# Altium PCB PCB-MB202-00.PcbDoc (part 3 of 7)
Units mm, origin at the board's own origin, x right, y up, seen from the top; angles counter-clockwise.
Board outline 300.6 x 146 mm, 2 copper layers (Top Layer, Bottom Layer); 493 components, 371 nets, 1609 pads, 6249 vias.
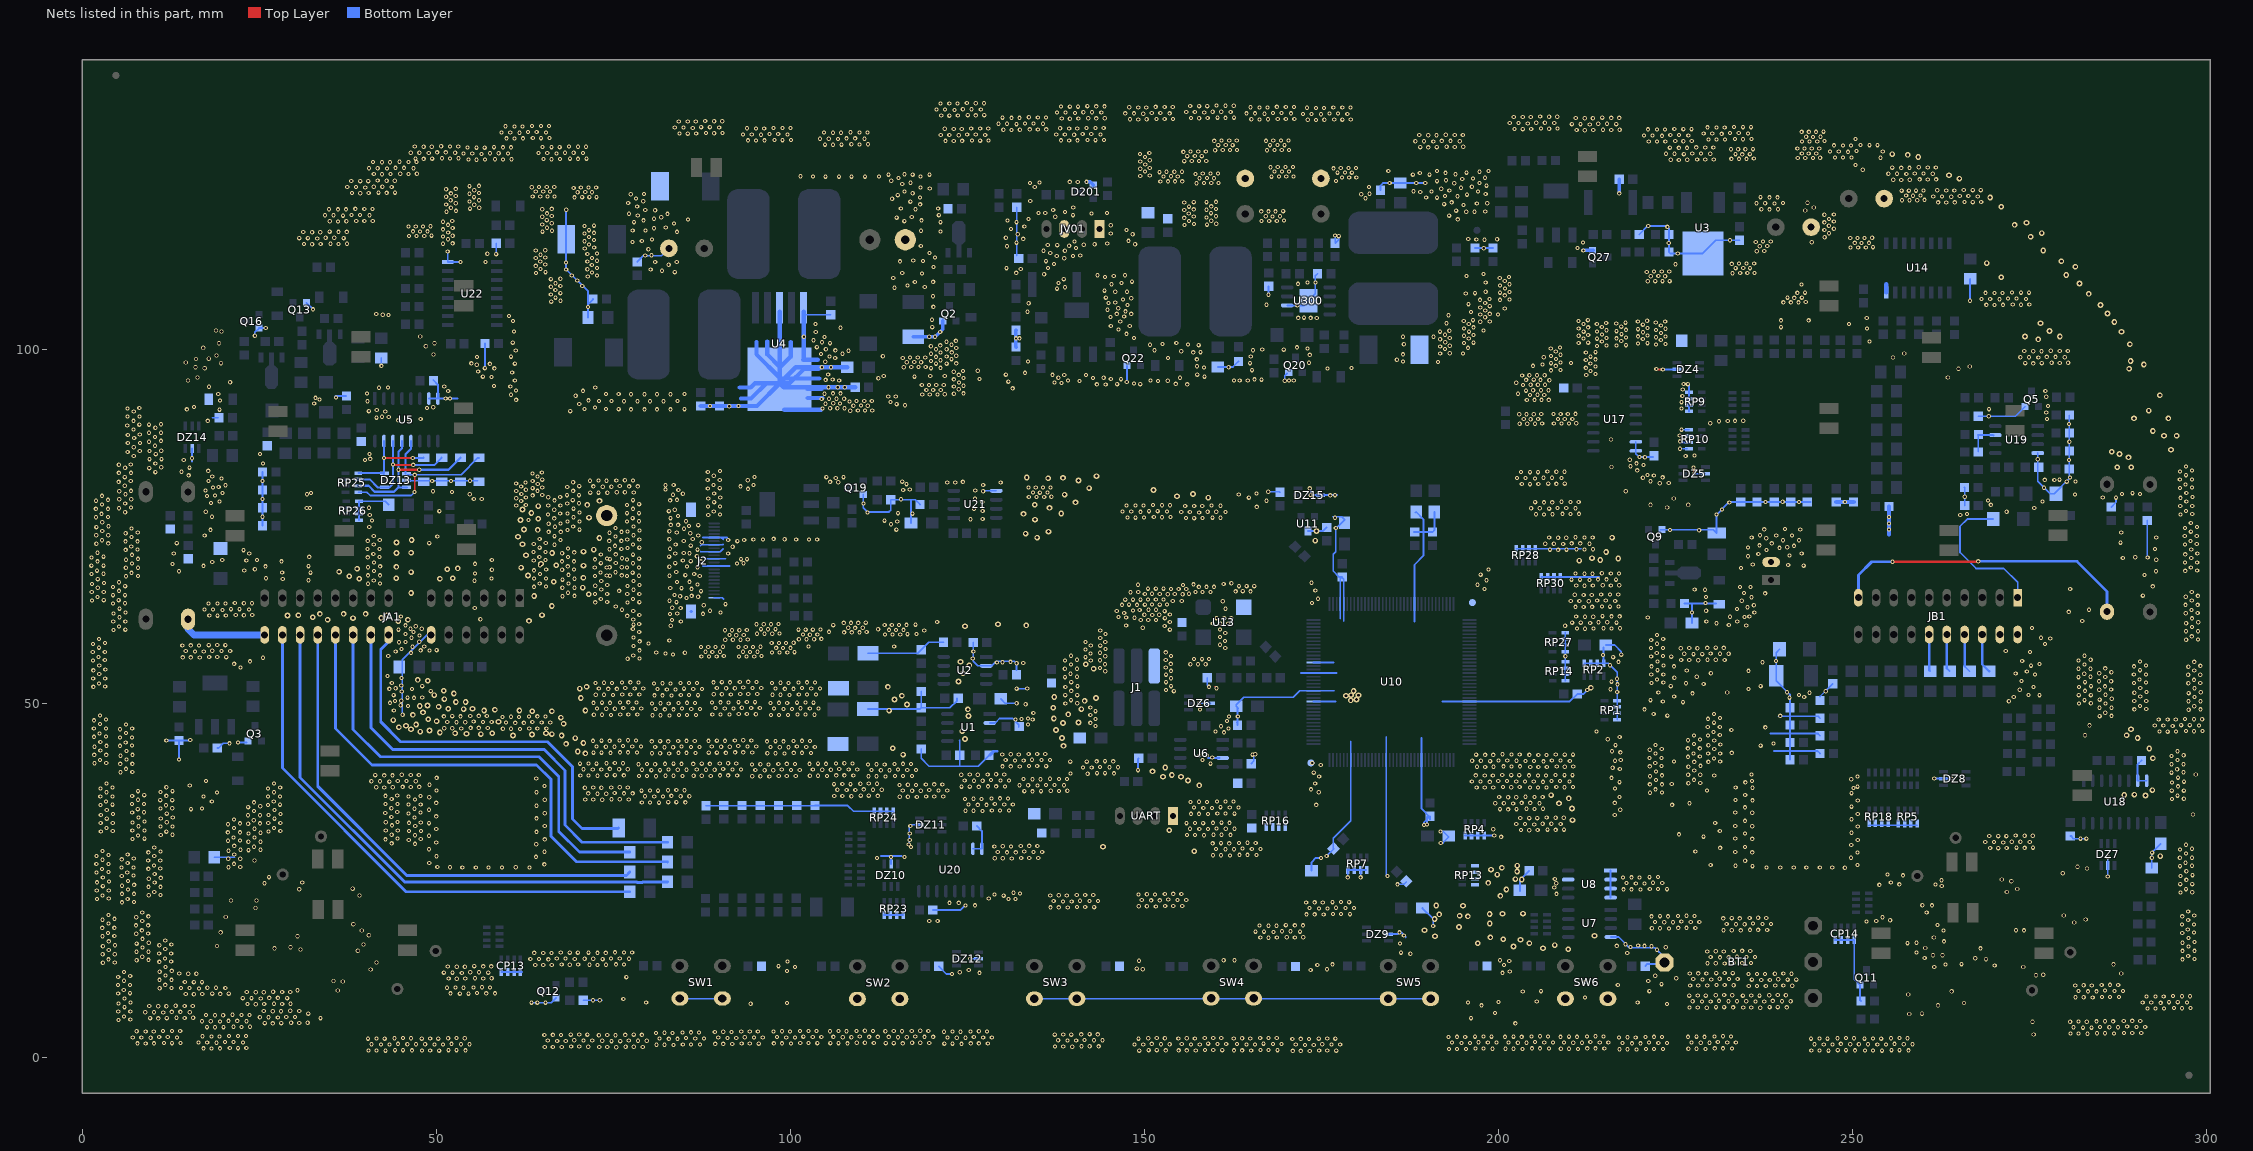
[diagram p3: the nets of this part, all layers, seen from the top]

## Via types
v1: diameter 0.6, hole 0.3, Top Layer to Bottom Layer, 5795 vias
v2: diameter 0.8, hole 0.4, Top Layer to Bottom Layer, 342 vias
v3: diameter 0.6, hole 0.4, Top Layer to Bottom Layer, 92 vias
v4: diameter 0.6, hole 0.3, Top Layer to Bottom Layer, tented both sides, 20 vias

## Nets (pads, with @x,y where several pads share a name; then routed paths per layer and width w, separated by ;. In a path a pad name is that pad's centre, name@x,y a point inside that pad or via, vN(x,y) a via of type N, cw(c..) or ccw(c..) an arc to the next point about the centre after c; other vN are vias at no path point) (continued)
EIN-ST13: JB1.12 R207.1 | length 5.3
  Bottom Layer w0.25: R207.1@260.868,54.756 R207.1@261.023,54.6
  Bottom Layer w0.35: R207.1@260.868,54.756 JB1.12@260.868,59.799
EIN-ST14: JB1.10 R208.1 | length 5.4
  Bottom Layer w0.25: R208.1@263.368,55.024 R208.1@263.792,54.6
  Bottom Layer w0.35: R208.1@263.368,55.024 JB1.10@263.368,59.799
EIN-ST15: JB1.8 R209.1 | length 5.5
  Bottom Layer w0.25: R209.1@265.868,55.293 R209.1@266.561,54.6
  Bottom Layer w0.35: R209.1@265.868,55.293 JB1.8@265.868,59.799
EIN-ST16: JB1.6 R214.1 | length 5.6
  Bottom Layer w0.35: JB1.6@268.368,59.799 268.368,55.561 R214.1@269.329,54.6
EIN-ST17: JA1.26 R59.1 | length 75.1
  Bottom Layer w0.4: JA1.26@28.286,59.737 28.286,40.942 45.758,23.47 R59.1@77.356,23.47
EIN-ST18: JA1.24 R60.1 | length 78.2
  Bottom Layer w0.4: JA1.24@30.786,59.737 30.786,39.611 45.577,24.82 78.372,24.82 78.401,24.79 79.14,24.79 79.17,24.82 82.643,24.82 R60.1@82.69,24.867
EIN-ST19: JA1.22 R61.1 | length 70.9
  Bottom Layer w0.4: JA1.22@33.286,59.737 33.286,38.355 45.86,25.781 76.873,25.781 R61.1@77.356,26.264
EIN-ST20: JA1.20 R63.1 | length 72.6
  Bottom Layer w0.4: JA1.20@35.786,59.737 35.786,46.523 40.932,41.377 64.199,41.377 66.231,39.345 66.231,31.293 69.816,27.708 82.643,27.708 R63.1@82.69,27.661
EIN-ST21: JA1.18 R64.1 | length 64.2
  Bottom Layer w0.4: JA1.18@38.286,59.737 38.286,46.36 42.126,42.52 64.529,42.52 67.323,39.726 67.323,31.979 70.244,29.058 R64.1@77.356,29.058
EIN-ST22: JA1.16 R65.1 | length 66.2
  Bottom Layer w0.4: JA1.16@40.786,59.737 40.786,46.629 43.879,43.536 65.266,43.536 68.212,40.589 68.212,32.868 70.625,30.455 R65.1@82.69,30.455
EIN-ST23: JA1.14 R68.1 | length 57
  Bottom Layer w0.4: JA1.14@43.286,59.737 43.32,59.703 43.32,58.826 42.177,57.683 42.177,47.473 44.996,44.653 65.748,44.653 69.279,41.123 69.279,33.731 70.6,32.41 75.705,32.41 R68.1@75.781,32.487
EIN-ST25: JA1.28 R85.1 | length 12.5
  Bottom Layer w1: R85.1@14.974,61.951 14.974,60.579 15.816,59.737 JA1.28@25.786,59.737
EIN-ST27: JB1.19 R111.1 | length 44
  Top Layer w0.4: v1(255.689,70.079) 266.357,70.079 ; 266.662,70.079 266.357,70.079 ; v1(267.805,70.129) 267.754,70.079 266.357,70.079
  Bottom Layer w0.4: JB1.19@250.868,64.999 250.868,68.178 252.768,70.079 v1(255.689,70.079) ; v1(267.805,70.129) 281.75,70.129 285.992,65.888 R111.1@285.992,63.017
F02: D37.2 DZ13.1 RP25.4 U5.12 | length 26.9
  Top Layer w0.25: v1@46.978,79.985 v1(46.978,82.347)
  Bottom Layer w0.25: RP25.4@39.002,79.901 40.229,79.901 40.704,79.426 46.495,79.426 46.978,79.908 v1@46.978,79.985 ; DZ13.1@45.943,82.372 v1@46.927,82.372 ; v1@46.927,82.245 v1@46.927,82.372 ; D37.2@56.064,84.735 55.893,84.735 53.531,82.372 v1@46.927,82.372
  Bottom Layer w0.3: DZ13.1@45.676,82.563 45.676,85.236 46.444,86.004 U5.12@46.444,87.116
  other v1: 46.952,79.908
F03: D18.2 DZ13.3 RP25.3 U5.13 | length 23.7
  Top Layer w0.3: v1(44.692,83.058) v1(47.613,83.058)
  Bottom Layer w0.3: RP25.3@39.002,80.801 40.472,80.801 41.31,79.962 44.06,79.962 44.659,80.561 ; U5.13@45.174,87.116 45.174,86.106 44.692,85.623 44.692,80.594 44.659,80.561 ; DZ13.3@45.854,80.561 44.659,80.561 ; v1(47.613,83.058) 51.753,83.058 D18.2@53.455,84.76
F04: D20.2 DZ13.4 RP25.2 U5.14 | length 18.9
  Top Layer w0.3: v1(43.904,83.795) 43.939,83.76 v1(46.774,83.76)
  Bottom Layer w0.3: RP25.2@39.002,81.701 40.613,81.701 41.753,80.561 42.602,80.561 43.363,80.561 43.904,81.102 U5.14@43.904,87.116 ; v1(46.774,83.76) 47.232,83.76 49.788,83.76 D20.2@50.788,84.76
F05: D23.2 DZ13.6 RP25.1 U5.15 | length 13.8
  Top Layer w0.3: v1(42.634,84.734) v1(46.698,84.734)
  Bottom Layer w0.3: RP25.1@39.015,82.588 42.501,82.588 DZ13.6@42.602,82.486 ; DZ13.6@42.526,82.588 42.634,82.696 U5.15@42.634,87.116 ; v1(46.698,84.734) 48.222,84.734 D23.2@48.248,84.76
F49: D13.2 JB1.1 | length 20.8
  Bottom Layer w0.25: D13.2@269.914,76.098 266.256,76.098 265.227,75.07 265.227,71.387 267.5,69.113 271.412,69.113 273.368,67.158 JB1.1@273.368,64.999
F49_1: R101.1 R107.2 U19.7 | length 4.7
  Bottom Layer w0.25: R101.1@267.789,85.615 267.789,87.905 267.719,87.975 269.909,87.975 U19.7@269.969,87.915
F50: JB1.2
GND: BT1.2 C1.2 C2.1 C3.2 C4.2 C5.1 C6.1 C7.2 C8.2 C9.1 C10.2 C11.1 C12.2 C13.1 C14.1 C15.2 C16.1 C17.2 C18.1 C20.1 C21.1 C23.2 C25.2 C26.2 C27.2 C28.2 C29.2 C30.2 C31.2 C32.1 C33.2 C34.2 C35.1 C36.2 C37.2 C38.2 C39.1 C40.2 C41.2 C42.2 C43.2 C44.2 C45.2 C46.2 C47.2 C49.1 C50.1 C53.1 C54.2 C55.1 C56.2 C57.2 C58.2 C59.2 C60.2 C61.2 C62.2 C63.2 C64.2 C65.2 C66.2 C68.2 C69.1 C70.1 C71.1 C72.1 C73.1 C74.2 C76.2 C77.2 C79.2 C80.2 C82.1 C83.1 C84.1 C85.2 C87.1 C88.1 C89.2 C90.2 C91.2 C92.2 C93.1 C94.1 C98.2 C99.1 C100.2 C101.1 C102.1 C103.1 C105.1 C107.1 C108.1 C109.1 C110.2 C208.2 C300.1 CE1.2 CE2.2 CE4.2 CE5.2 CP1.2 CP2.2 CP3.2 CP4.2 CP5.2 CP6.2 CP7.2 CP8.2 CP10.2 CP11.2 CP12.2 CP13.1 CP13.2 CP13.3 CP13.4 CP14.1 CP14.2 CP14.3 CP14.4 CP15.2 CP16.2 CP17.2 CP18.2 CP19.2 CP22.2 CP23.2 CP24.2 CP25.2 CP26.2 CP200.2 CP303.2 D2.2 D6.2 D10.2 D11.1 D14.1 D18.1 D19.1 D20.1 D23.1 D25.1 D32.1 D35.2 D37.1 D39.1 D40.1 D41.1 D42.1 D201.1 DW1.1 DW300.1 DZ4.2 DZ5.2 DZ6.2 DZ7.2 DZ8.2 DZ9.2 DZ10.2 DZ11.2 DZ12.2 DZ13.2 DZ14.2 DZ15.2 J1.6 J2.1 J2.10 J2.12 J2.14 J2.16 J2.18 J2.23 J2.24 J3.2 JA1.12 JB1.4 JV01.1 JV01.3 pad.0 Q2.2 Q3.2 Q5.3 Q9.1 Q11.2 Q12.2 Q13.2 Q16.2 Q19.2 Q20.2 Q22.2 Q27.2 R1.2 R3.2 R4.2 R7.1 R9.2 R10.1 R14.1 R21.2 R35.2 R37.2 R40.1 R45.1 R67.1 R78.2 R79.2 R87.2 R88.2 R89.2 R90.2 R95.1 R100.2 R103.2 R106.1 R136.1 R144.1 R150.1 R161.1 R173.1 R179.1 R197.2 R211.2 RP1.1 RP1.2 RP1.3 RP1.4 RP2.1 RP2.2 RP2.3 RP2.4 RP4.1 RP4.2 RP4.3 RP4.4 RP5.1 RP5.2 RP5.3 RP5.4 RP7.1 RP7.2 RP7.3 RP7.4 RP9.1 RP9.2 RP9.3 RP9.4 RP10.1 RP10.2 RP10.3 RP10.4 RP13.1 RP13.2 RP13.3 RP13.4 RP14.1 RP14.2 RP14.3 RP14.4 RP16.1 RP16.2 RP16.3 RP16.4 RP18.1 RP18.2 RP18.3 RP18.4 RP23.5 RP23.6 RP23.7 RP23.8 RP24.5 RP24.6 RP24.7 RP24.8 RP26.5 RP26.6 RP26.7 RP26.8 RP27.1 RP27.2 RP27.3 RP27.4 RP28.1 RP28.2 RP28.3 RP28.4 RP30.1 RP30.2 RP30.3 RP30.4 SW1.2 SW2.2 SW3.2 SW4.2 SW5.2 SW6.2 U1.2 U2.2 U3.2 U4.3 U4.5 U5.7 U5.8 U6.3 U7.4 U8.1 U8.2 U8.3 U8.4 U8.7 U10.10 U10.20 U10.30 U10.49 U10.52 U10.57 U10.60 U10.76 U10.77 U10.97 U10.132 U11.3 U13.2 U14.8 U17.7 U17.8 U18.7 U18.8 U19.4 U20.7 U20.8 U21.5 U22.8 U300.2 UART.1 | length 917.8
  Top Layer w0.25: v1@21.882,44.425 v1(22.009,44.552) ; v1(157.747,50.114) v1@157.874,49.987 ; v1@160.008,52.4 v1(160.211,52.197) ; v1(222.339,97.307) 222.415,97.231 v1(223.254,97.231) ; v1(226.2,95.174) 226.759,95.174 v1(226.784,95.148) ; v1(227.572,83.388) 227.673,83.388 v1(227.673,82.525)
  Bottom Layer w0.25: v1(11.9,44.831) 11.905,44.836 C66.2@13.678,44.836 ; v1(13.678,42.139) C66.2@13.678,44.836 ; v1(15.278,44.882) 15.233,44.836 C66.2@13.678,44.836 ; 15.532,84.226 15.535,84.229 DZ14.2@15.535,86.087 ; 18.428,90.399 R144.1@19.241,90.399 ; CE2.2@18.663,28.346 21.578,28.346 ; R40.1@19.088,43.764 19.292,43.764 19.952,44.425 v1(20.816,44.425) ; v1(22.009,44.552) Q3.2@23.229,44.552 ; v1(24.397,101.981) 24.397,102.464 Q16.2@25.007,103.073 v1(25.946,103.073) ; C76.2@25.469,75.159 C77.2@25.469,77.69 C30.2@25.469,80.222 C79.2@25.469,82.753 ; Q13.2@31.687,106.655 v1(32.627,105.715) ; v1@35.776,93.497 C73.1@37.275,93.497 ; RP26.8@39.126,75.921 RP26.7@39.126,76.821 RP26.6@39.126,77.721 RP26.5@39.126,78.621 42.824,78.621 C7.2@43.314,78.13 ; CE4.2@42.253,98.851 42.253,97.828 42.342,97.739 v1@42.342,97.765 ; v1@45.216,48.692 45.216,56.226 48.726,59.737 JA1.12@49.286,59.737 ; DZ13.2@45.854,81.511 50.788,81.511 D37.1@55.887,81.511 ; U5.7@48.984,93.116 U5.8@50.254,93.116 ; R87.2@49.614,95.733 50.254,95.093 U5.8@50.254,93.116 ; v1(51.631,113.889) U22.8@51.631,112.395 v1(53.429,112.395) ; 53.074,93.116 v1(51.981,93.116) v1(51.346,93.116) U5.8@50.254,93.116 ; v1(56.884,97.409) 56.909,97.434 C109.1@56.909,100.889 ; v1(58.484,113.513) 58.489,113.518 C110.2@58.489,115.062 ; CP13.4@59.213,12.141 CP13.3@60.113,12.141 CP13.2@61.013,12.141 CP13.1@61.913,12.141 CP13.1@62.116,12.141 ; v1@63.437,7.798 66.281,7.798 Q12.2@66.952,8.468 ; v1(68.39,119.786) 68.365,119.811 D2.2@68.365,115.62 v1(68.365,111.353) 71.463,108.255 71.463,106.451 ; R79.2@70.775,8.136 73.437,8.136 ; C300.1@71.463,104.572 71.463,106.451 ; C14.1@72.174,107.163 71.463,106.451 ; C108.1@78.397,112.42 79.261,113.284 81.83,113.284 CP5.2@82.872,114.325 ; SW1.2@84.784,8.353 SW1.2@90.784,8.353 ; 87.338,72.339 87.482,72.483 J2.16@89.264,72.483 90.487,72.483 90.549,72.545 ; 87.389,71.501 87.407,71.483 J2.14@89.264,71.483 ; 87.697,69.454 87.726,69.483 J2.10@89.264,69.483 91.441,69.483 ; 87.698,73.497 88.368,73.497 88.382,73.483 J2.18@89.264,73.483 90.293,73.483 ; 87.795,70.739 88.051,70.483 J2.12@89.264,70.483 90.9,70.483 ; 87.864,71.483 J2.14@89.264,71.483 ; C61.2@88.126,35.606 98.345,35.606 C63.2@103.5,35.606 ; J2.1@89.264,64.983 90.414,64.983 90.599,64.798 ; 90.549,71.885 90.146,71.483 J2.14@89.264,71.483 ; 90.549,73.227 90.293,73.483 ; 91.081,73.483 90.293,73.483 ; U4.5@102.019,104.953 C16.1@105.728,104.953 ; C63.2@103.5,35.631 108.146,35.631 108.957,34.82 RP24.5@111.867,34.82 RP24.6@112.767,34.82 RP24.7@113.667,34.82 RP24.8@114.567,34.82 ; Q19.2@110.325,79.578 110.325,77.673 110.884,77.114 113.957,77.114 114.211,77.368 R136.1@114.211,78.816 117.082,78.816 ; D25.1@110.981,49.258 118.333,49.258 C6.1@118.529,49.454 ; D39.1@111.006,57.157 118.023,57.157 C5.1@118.514,57.648 119.565,58.699 R4.2@121.659,58.699 ; 112.792,28.496 v1@114.259,28.496 ; RP23.8@113.272,20.196 RP23.7@114.172,20.196 RP23.6@115.072,20.196 RP23.5@115.972,20.196 ; DZ10.2@114.259,27.375 v1@114.259,28.496 ; 115.735,28.499 115.733,28.496 v1@114.259,28.496 ; v1@116.751,30.074 116.828,30.15 116.828,32.537 117.206,32.916 DZ11.2@118.282,32.916 ; CP200.2@117.079,75.54 117.079,78.813 117.082,78.816 ; C208.2@118.357,78.156 117.696,78.816 117.082,78.816 ; C11.1@118.529,43.612 118.529,42.291 119.622,41.199 126.551,41.199 R3.2@128.1,42.748 ; C9.1@118.529,51.74 C6.1@118.529,49.454 ; C72.1@120.155,20.904 124.092,20.904 v1@124.676,21.488 ; C20.1@120.993,12.929 122.085,11.836 v1(122.873,11.836) ; C4.2@123.579,50.8 123.579,50.465 122.568,49.454 C6.1@118.529,49.454 ; 123.934,44.863 123.944,44.853 C3.2@123.944,42.743 123.944,41.229 ; v1@125.26,13.995 125.258,13.998 DZ12.2@126.626,13.998 ; U20.7@125.819,29.54 U20.8@127.089,29.54 127.089,32.024 R90.2@126.348,32.766 ; R1.2@125.875,58.674 125.875,56.002 126.509,55.368 U2.2@127.689,55.368 128.457,55.368 129.096,56.007 131.636,56.007 131.966,55.677 131.966,54.788 ; v1(127.267,80.035) 127.318,80.086 U21.5@129.127,80.086 ; U1.2@128.211,47.301 128.95,47.301 129.578,47.93 131.433,47.93 132.296,47.066 C39.1@132.296,46.711 ; CP18.2@129.734,50.698 130.343,50.089 v1(131.991,50.089) ; C53.1@131.915,100.406 R45.1@131.915,102.743 ; v1(131.991,52.146) 133.465,52.146 v1(133.49,52.172) ; C23.2@132.017,113.314 R211.2@132.017,120.147 ; SW3.2@134.506,8.354 SW3.2@140.506,8.354 SW5.2@184.468,8.354 SW5.2@190.468,8.354 ; v1@147.562,95.707 Q22.2@147.562,97.765 ; v1(149.136,40.64) 149.136,42.21 R37.2@149.243,42.316 ; v1(157.747,50.114) 157.76,50.101 DZ6.2@159.381,50.101 ; C98.2@158.917,53.693 158.917,52.703 159.144,52.476 v1(159.144,52.4) ; 159.031,42.373 159.019,42.361 U6.3@160.694,42.361 ; C102.1@160.389,97.587 162.548,97.587 C103.1@163.31,98.349 ; C25.2@163.067,47.373 C25.2@163.187,47.253 ; CP12.2@163.187,49.323 163.197,49.313 163.207,49.313 CP12.2@163.277,49.383 ; C25.2@163.197,46.983 163.197,49.463 CP12.2@163.017,49.643 163.017,49.872 164.072,50.927 171.057,50.927 171.973,51.843 U10.52@173.937,51.843 176.837,51.843 ; R35.2@165.117,41.553 165.494,41.93 v1@165.494,42.824 ; v1(167.526,79.959) 169.101,79.959 R7.1@169.177,79.883 ; v1(167.551,107.772) 167.551,108.92 R197.2@167.602,108.971 ; v1(169.863,95.631) 169.863,96.317 Q20.2@170.218,96.672 ; U300.2@170.2,106.277 172.565,106.277 U300.2@173.2,106.912 174.181,107.894 174.181,110.455 C49.1@174.481,110.754 ; 172.157,54.343 U10.57@173.937,54.343 177.217,54.343 ; U11.3@173.114,74.422 175.278,74.422 R9.2@175.781,74.925 ; v1@173.269,79.479 v1(173.52,79.479) ; v1(173.393,80.442) 173.52,80.315 v1(173.52,79.479) ; CP2.2@173.645,26.441 173.645,27.632 174.257,28.245 v1(174.968,28.245) ; U10.49@173.937,50.343 177.067,50.343 ; U10.60@173.937,55.843 175.918,55.843 176.757,55.843 ; v1(175.781,28.524) 176.746,29.489 C21.1@176.746,29.566 ; 176.645,76.429 177.892,76.429 178.321,76 177.051,74.73 177.051,71.501 176.695,71.145 176.695,70.815 176.695,68.758 177.554,67.899 C36.2@177.889,67.899 ; C21.1@176.721,29.566 176.721,31.039 179.187,33.505 179.187,39.649 ; v1(176.975,116.154) R179.1@176.975,115.062 177.483,115.57 v1(177.483,116.053) ; v1@177.232,79.479 DZ15.2@174.911,79.479 v1(173.52,79.479) ; 177.687,62.073 U10.76@177.687,64.093 177.687,66.446 ; 177.687,66.665 177.687,66.446 ; C36.2@177.965,67.899 C36.2@177.889,67.899 ; 178.187,61.693 U10.77@178.187,64.093 178.187,66.165 178.187,67.601 C36.2@177.889,67.899 ; RP7.4@178.669,26.518 RP7.4@178.771,26.518 179.569,26.518 RP7.3@179.671,26.518 RP7.2@180.571,26.518 RP7.1@181.369,26.518 ; v1(178.753,25.502) RP7.4@178.753,26.5 ; 179.187,39.453 179.187,39.649 ; 179.187,44.703 U10.30@179.187,42.093 179.187,39.649 ; v1(180.582,25.502) RP7.2@180.582,26.507 ; C84.1@183.376,122.53 183.376,123.19 183.757,123.571 v1(189.7,123.571) ; v1@184.187,25.746 184.187,36.678 ; 184.187,36.449 184.187,36.678 ; 184.187,45.353 U10.20@184.187,42.093 184.187,36.678 ; DZ9.2@184.538,17.478 185.814,17.478 v1(186.068,17.732) ; v1@185.712,24.435 v1@185.941,24.663 ; v1@185.88,24.511 186.672,24.511 C17.2@187.005,24.844 ; v1@186.319,17.732 186.957,17.094 186.957,17.018 ; C34.2@188.067,74.313 188.117,74.263 C34.2@188.217,74.263 189.446,74.263 ; 188.187,61.583 188.187,62.054 U10.97@188.187,64.093 188.187,69.658 189.446,70.917 189.446,74.263 ; CP3.2@188.277,77.043 CP3.2@188.277,77.053 ; CP3.2@188.417,77.103 189.446,76.074 189.446,74.263 ; 189.187,45.193 U10.10@189.187,42.093 189.187,35.184 190.361,34.011 C37.2@190.361,33.635 ; CP11.2@189.297,21.158 190.818,19.637 v1(190.818,18.644) ; v1(189.522,32.893) 189.522,33.279 C37.2@190.361,34.117 ; v1(189.954,32.944) C37.2@189.954,34.066 ; CP25.2@190.996,77.086 190.996,74.532 C12.2@190.727,74.263 189.446,74.263 ; v1(191.859,31.979) 192.243,31.979 193.03,31.191 192.192,30.353 v1(191.885,30.353) ; 192.147,50.343 U10.132@195.937,50.343 210.117,50.343 C56.2@211.158,51.384 212.027,51.384 v1(212.586,51.943) ; RP4.4@195.331,31.394 v1(199.454,31.394) ; C82.1@196.711,114.376 R161.1@199.276,114.376 ; RP28.1@202.553,71.907 RP28.2@203.453,71.907 RP28.3@204.353,71.907 RP28.4@205.253,71.907 211.747,71.907 ; CP6.2@203.072,23.575 203.072,25.095 C80.2@204.392,26.415 ; RP30.1@206.083,67.92 RP30.2@206.983,67.92 RP30.3@207.883,67.92 RP30.4@208.783,67.92 214.287,67.92 ; RP27.1@209.487,60.071 RP27.2@209.487,59.171 RP27.3@209.487,58.271 RP27.4@209.487,57.371 209.487,53.282 RP14.4@209.512,53.256 ; RP2.1@212.179,55.728 RP2.2@213.079,55.728 RP2.3@213.979,55.728 RP2.4@214.879,55.728 ; CP22.2@214.879,57.993 RP2.4@214.879,55.728 ; CP22.2@215.205,58.318 216.446,58.318 217.386,57.379 v1(217.386,56.947) ; U7.4@215.912,17.075 217.024,17.075 218.529,15.57 222.111,15.57 223.488,14.193 BT1.2@223.488,13.464 ; RP1.4@216.802,47.77 RP1.3@216.802,48.67 RP1.2@216.802,49.57 RP1.1@216.802,50.47 v1@216.802,51.511 ; v1@216.802,51.638 v1@216.802,51.511 ; U17.7@219.445,86.996 U17.8@219.445,85.726 219.445,85.317 219.896,84.866 R88.2@221.907,84.866 ; C54.2@219.929,116.283 221.146,117.5 223.736,117.5 224.119,117.118 C18.1@224.119,116.283 R67.1@224.119,113.815 224.312,113.622 U3.2@228.906,113.622 230.757,115.473 C100.2@234.099,115.473 ; C35.1@220.764,12.954 221.08,13.27 223.294,13.27 BT1.2@223.488,13.464 ; BT1.2@222.724,12.7 BT1.2@223.488,13.464 ; Q9.1@222.923,74.6 230.368,74.6 CP8.2@230.848,74.12 v1(230.848,76.733) 232.631,78.516 C26.2@234.247,78.516 C27.2@236.57,78.516 C33.2@239.002,78.516 C29.2@244.142,78.516 ; v1(223.254,97.231) 223.261,97.239 DZ4.2@225.291,97.239 ; v1@225.794,86.928 RP10.2@226.945,86.928 ; v1(225.895,88.728) RP10.4@226.945,88.728 ; 226.075,86.028 RP10.1@226.655,86.028 ; C94.1@226.302,64.186 D19.1@230.75,64.186 ; v1(226.784,95.148) 226.965,94.967 RP9.1@226.965,91.296 ; CP10.2@227.371,61.417 227.371,64.132 ; v1(227.673,82.525) 227.653,82.504 DZ5.2@229.249,82.504 ; 238.417,45.771 238.443,45.796 241.216,45.796 ; 238.925,43.332 241.216,43.332 ; v1@239.581,48.24 241.216,48.24 ; D41.1@239.738,57.709 239.274,57.245 239.274,53.245 241.216,51.303 241.216,48.24 ; C44.2@241.216,42.113 241.216,43.332 ; C45.2@245.458,43.002 245.128,43.332 241.216,43.332 ; C47.2@245.458,45.491 245.153,45.796 241.216,45.796 ; C40.2@245.458,47.981 245.199,48.24 241.216,48.24 ; C43.2@245.458,51.034 C101.1@247.257,52.832 ; CP14.4@247.579,16.637 CP14.3@248.479,16.637 CP14.2@249.379,16.637 CP14.1@250.279,16.637 250.279,11.1 Q11.2@251.092,10.287 251.092,8.162 R78.2@251.237,8.017 ; RP18.4@252.365,32.825 252.385,32.845 256.485,32.845 257.385,32.845 258.285,32.845 RP5.1@259.185,32.845 ; v1@261.483,39.443 DZ8.2@262.909,39.443 264.074,39.443 v1@264.148,39.37 ; C90.2@265.859,80.555 265.899,80.515 R103.2@265.899,77.995 ; v1(266.637,106.934) 266.637,109.976 CE1.2@266.688,110.027 ; C87.1@267.805,90.627 273.063,90.627 Q5.3@274.409,91.973 ; U19.4@276.209,85.425 276.209,81.461 277.986,79.685 278.519,79.685 280.669,81.835 R106.1@280.669,83.185 280.669,85.725 R100.2@280.669,90.765 ; C71.1@280.785,31.344 280.988,31.344 280.988,31.217 281.242,30.963 v1(283.071,30.963) ; v1(286.093,25.629) 286.096,25.631 DZ7.2@286.096,27.159 286.096,28.242 286.093,28.245 v1(286.093,28.346) ; R173.1@286.591,77.794 287.262,78.465 v1(287.262,79.121) ; R89.2@290.862,42 290.309,41.448 U18.7@290.309,39.144 U18.8@291.579,39.144 ; C85.2@291.681,75.9 291.681,70.714 v1(291.732,70.663) ; CE5.2@292.316,26.828 292.316,28.979 CP26.2@293.586,30.249 ; 177.687,66.446 177.687,67.697 C36.2@177.889,67.899 ; RP2.4@214.879,55.728 215.532,55.728 216.802,54.458 v1@216.802,51.511 ; 241.216,43.332 C46.2@241.216,44.56 241.216,45.796 ; 241.216,45.796 241.216,48.24
  Bottom Layer w0.3: U8.4@215.842,22.625 U8.4@215.842,22.635 ; U8.1@215.842,26.435 215.882,26.395 U8.2@215.882,25.175 U8.3@215.882,23.905 U8.4@215.882,22.635
  Bottom Layer w0.4: J2.24@85.989,63.058 J2.24@86.054,63.058 ; R3.2@128.194,42.743 128.76,43.309 129.244,43.309
  Bottom Layer w0.5: D6.2@117.382,101.839 120.496,101.839 121.552,102.895 Q2.2@121.552,104.089 ; R45.1@131.915,102.743 R45.1@131.89,102.768 131.89,100.406 C53.1@131.941,100.355 ; v1(141.847,123.723) 142.405,123.723 142.812,123.317 D201.1@142.812,123.266 ; v1(212.027,114.046) Q27.2@213.424,114.046 ; v1(217.107,122.098) C99.1@217.107,124.104
  Bottom Layer w0.6: C13.1@87.364,92.075 C105.1@90.031,92.075 95.326,92.075 U4.3@98.536,95.285 ; 92.875,94.691 94.45,94.691 95.044,95.285 U4.3@98.536,95.285 ; 93.079,93.116 94.476,93.116 96.644,95.285 U4.3@98.536,95.285 ; 95.238,101.092 95.238,99.365 98.536,96.066 U4.3@98.536,95.285 ; 96.787,101.168 96.787,99.339 98.536,97.59 U4.3@98.536,95.285 ; U4.3@98.536,105.385 U4.3@98.536,95.285 ; U4.3@98.933,95.961 104.128,95.961 ; U4.3@99.162,91.542 v1@104.356,91.542 ; 100.089,101.117 100.089,99.035 98.536,97.482 U4.3@98.536,95.285 ; U4.3@101.854,98.603 103.899,98.603 ; U4.3@101.936,98.685 U4.5@101.936,105.385 ; U4.3@102.413,94.488 104.458,94.488 ; U4.3@102.502,93.193 v1@104.585,93.193 ; 104.026,97.307 101.943,97.307 99.92,95.285 U4.3@98.536,95.285 ; CP4.2@108.062,97.536 100.787,97.536 U4.3@98.536,95.285 ; C15.2@109.187,94.717 99.104,94.717 U4.3@98.536,95.285 ; C28.2@247.739,78.491 C91.2@250.203,78.491 ; U14.8@254.8,108.107 254.8,109.245 ; 255.202,73.934 C92.2@255.202,77.876